# KiCad board Leviathan.kicad_pcb (continued)
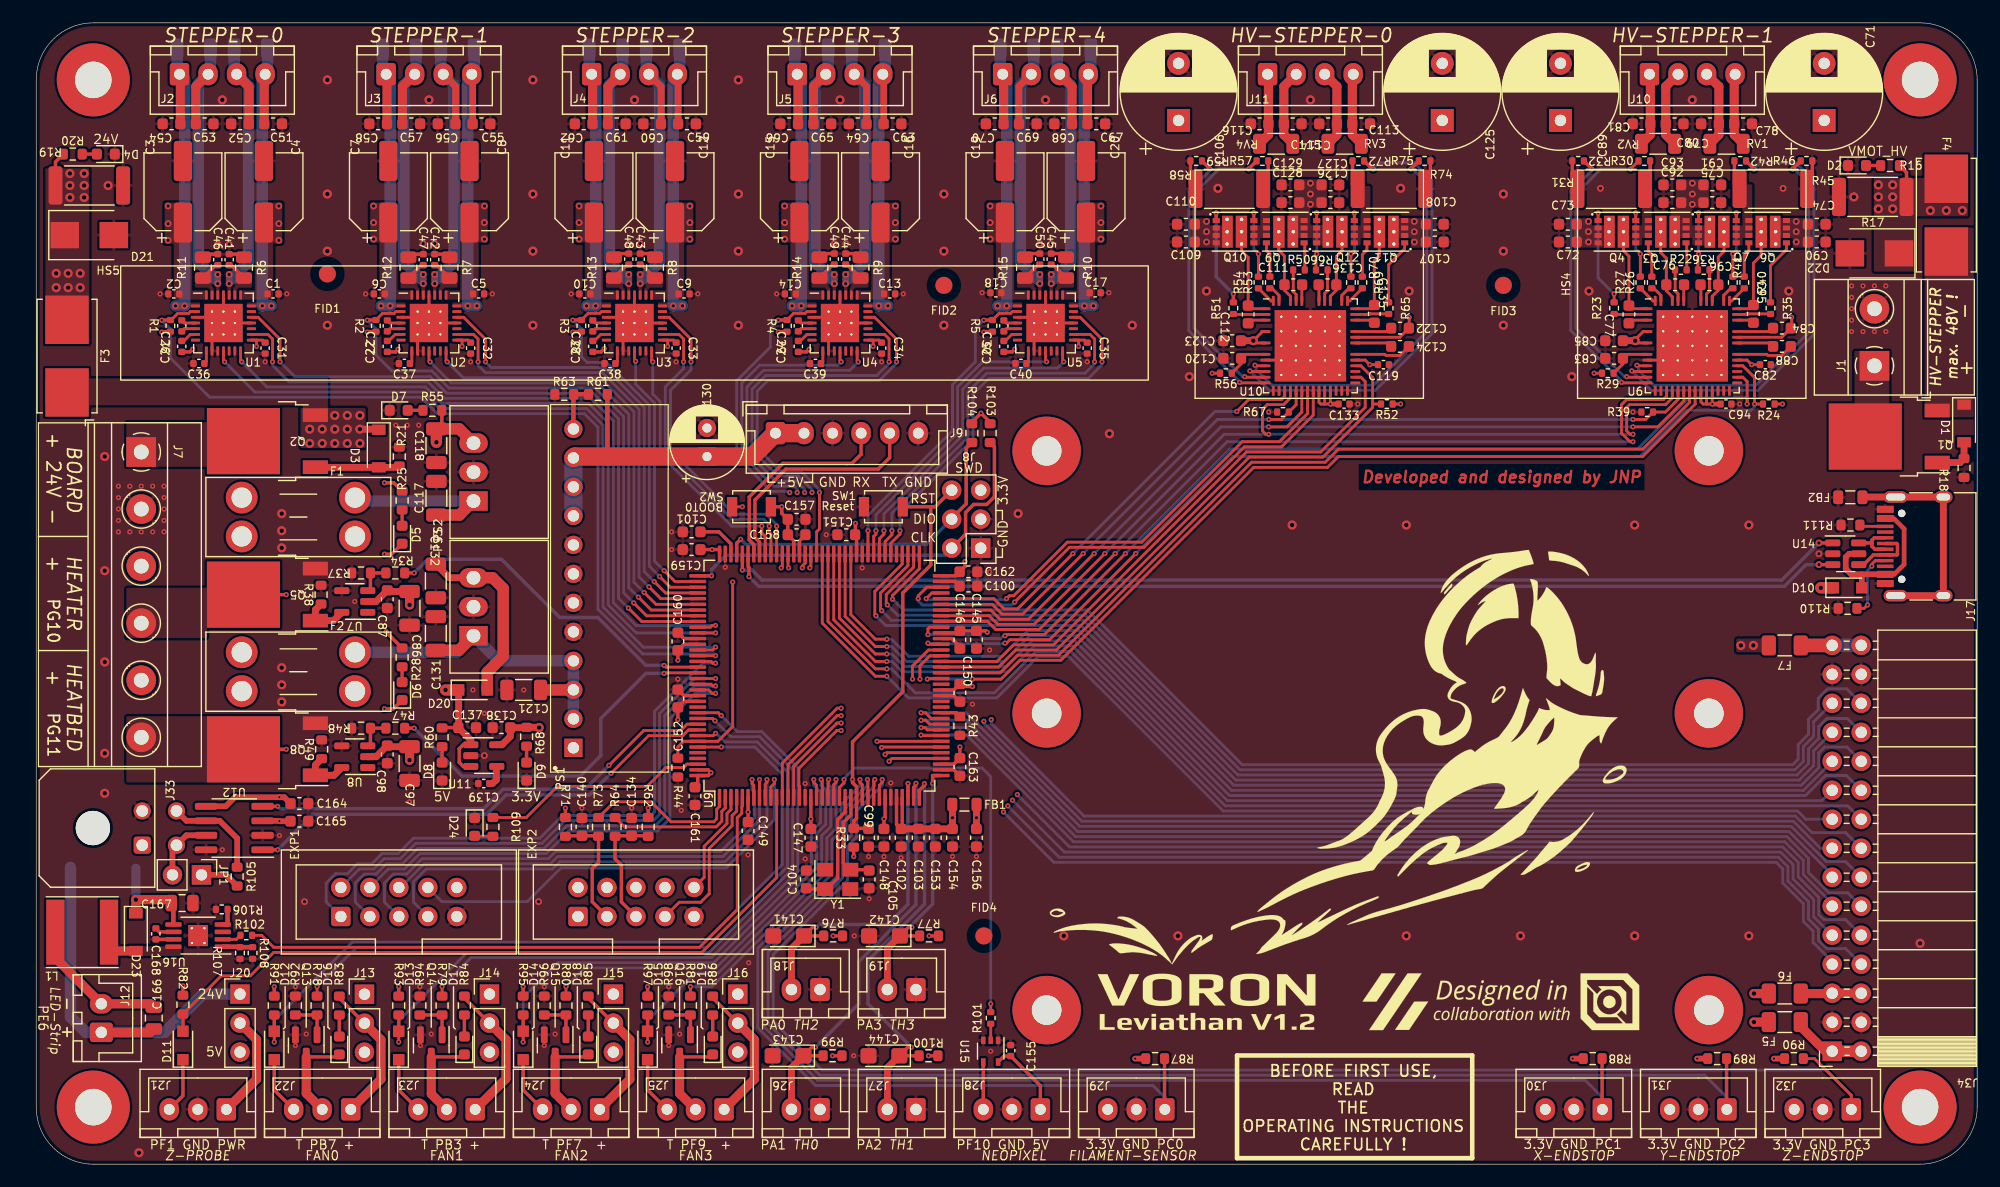
[diagram p0: board, top side]
## Placement (name value [footprint] x y rotation side) (continued)
R103  10k  [R_0603_1608Metric]  83.55 64.05 270 top
R104  10k  [R_0603_1608Metric]  81.95 64.05 270 top
R105  120R  [R_0603_1608Metric]  17.6 25.2 90 top
R106  40k2  [R_0402_1005Metric]  16.25 22.32 180 top
R107  1R2  [R_0402_1005Metric]  17.85 18.5 270 top
R108  1R2  [R_0402_1005Metric]  18.95 18.5 270 top
R109  1k  [R_0603_1608Metric]  40 29.55 90 top
R110  5k1  [R_0603_1608Metric]  158.65 48.7 180 top
R111  5k1  [R_0603_1608Metric]  158.9 56 180 top
Ref**  Val**  [Leviathan_Logo_V1.2]  140.4 11.75 0 top
RV1  56V  [R_1206_3216Metric]  148.05 89.4 0 top
RV2  56V  [R_1206_3216Metric]  142.05 89.4 180 top
RV3  56V  [R_1206_3216Metric]  114.6 89.4 0 top
RV4  56V  [R_1206_3216Metric]  108.6 89.4 180 top
RV5  26V  [R_1206_3216Metric]  13.8 97.75 0 bottom
RV6  26V  [R_1206_3216Metric]  18.8 97.75 0 bottom
RV7  26V  [R_1206_3216Metric]  31.8 97.75 0 bottom
RV8  26V  [R_1206_3216Metric]  36.9 97.75 0 bottom
RV9  26V  [R_1206_3216Metric]  49.9 97.75 0 bottom
RV10  26V  [R_1206_3216Metric]  54.9 97.75 0 bottom
RV11  26V  [R_1206_3216Metric]  67.9 97.75 0 bottom
RV12  26V  [R_1206_3216Metric]  72.9 97.75 0 bottom
RV13  26V  [R_1206_3216Metric]  85.9 97.75 0 bottom
RV14  26V  [R_1206_3216Metric]  90.9 97.75 0 bottom
SW1  Reset  [SW_SPST_B3U-1000P]  74.2 57.6 0 top
SW2  BOOT0  [SW_SPST_B3U-1000P]  62.65 57.6 180 top
U1  TMC2209_LA  [QFN-28-1EP_5x5mm_P0.5mm_EP3.35x3.35mm_ThermalVias]  16.4 73.7 0 top
U2  TMC2209_LA  [QFN-28-1EP_5x5mm_P0.5mm_EP3.35x3.35mm_ThermalVias]  34.4 73.7 0 top
U3  TMC2209_LA  [QFN-28-1EP_5x5mm_P0.5mm_EP3.35x3.35mm_ThermalVias]  52.4 73.7 0 top
U4  TMC2209_LA  [QFN-28-1EP_5x5mm_P0.5mm_EP3.35x3.35mm_ThermalVias]  70.4 73.7 0 top
U5  TMC2209_LA  [QFN-28-1EP_5x5mm_P0.5mm_EP3.35x3.35mm_ThermalVias]  88.4 73.7 0 top
U6  TMC5160-WA  [QFN-56-1EP_8x8mm_P0.5mm_EP6.25x6.25mm_ThermalVias_TMC]  145.05 71.7 0 top
U7  MCP1416  [SOT-23-5]  27.9 49.3 180 top
U8  MCP1416  [SOT-23-5]  27.9 35.7 180 top
U9  STM32F446ZET6  [LQFP-144_20x20mm_P0.5mm]  68.6 42.8 90 top
U10  TMC5160-WA  [QFN-56-1EP_8x8mm_P0.5mm_EP6.25x6.25mm_ThermalVias_TMC]  111.6 71.7 0 top
U11  AP2112K-3.3V/AP2127K-3.3V  [SOT-23-5]  39.2 35.8 0 top
U12  TJA1051T-3  [SOIC-8_3.9x4.9mm_P1.27mm]  17.35 29.45 180 top
U13  RPi4  [RPi-4]  117.5 38 0 top
U14  USBLC6-2SC6  [SOT-23-6]  158.49 53.48 0 top
U15  74LVC1G17GW  [SOT-353_SC-70-5]  83.6 9.9 270 top
U16  LM3407MY  [MSOP-8-1EP_3x3mm_P0.65mm_EP1.73x1.85mm_ThermalVias]  14.18 20.03 180 top
Y1  12MHz  [Crystal_SMD_Abracon_ABM8G-4Pin_3.2x2.5mm]  70.2 24.95 0 top

## Library data of the parts
C1 C2 C5 C6 C9 C10 C13 C14 C17 C18 C21-C25 C31-C35 C41-C50 = -: LCSC: C77020
C3 C4 C7 C8 C11 C12 C15 C16 C19 C20 = -: LCSC: C249977
C26-C30 C139 = -: LCSC: C107026
C36-C40 = -: LCSC: C368809; MFG: CL05A475KP5NRNC
C51-C70 C78-C81 C113-C116 = -: LCSC: C77438; MFG#: 0603B102K101CT
C71 C89 C106 C125 = -: LCSC: C442941
C72-C75 C90-C93 C107-C110 C126-C129 = -: LCSC: C88219
C76 C77 C95 C96 C111 C112 C135 C136 = -: LCSC: C2174190
C82 C119 = -: LCSC: C961501
C83 C85 C120 C123 = -: LCSC: C99228
C84 = -: LCSC: C116838
C86 C97 = -: LCSC: C14860; MFG#: CL31B106KAHNNNE
C87 C94 C98 C99 C103 C133 C134 C140 C146-C148 C150-C152 C154 C156 C158-C163 = -: LCSC: C83054; MFG#: C83054
C88 C124 = -: LCSC: C161234
C100-C102 C153 = -: LCSC: C99228; MFG#: 0603B225K250NT
C104 C105 = -: LCSC#: C38523; MFG#: CL10C120JB8NNNC
C117 C118 C121 C131 C132 = -: LCSC: C89632; MFG#: CL31B106KBHNNNE
C122 C164 C165 = -: LCSC#: C116838
C130 = -: LCSC: C472886; MFG#: 25ZLG100MEFCT16.3X11
C137 = -: LCSC: C76617; MFG#: C1608X7R1C105KT000N
C138 = -: LCSC: C86018; MFG#: GRM188R71A225KE15D
C141-C144 = -: LCSC#: C124849; MFG#: TC212A106M010B
C145 = -: LCSC: C108342; MFG#: 0603B475K100NT
C149 C157 = -: LCSC: C29936; MFG#: CL10B105KA8NNNC
C155 = -: LCSC: C83054
C166 C167 = -: LCSC: C437557
C168 = -: LCSC: C52923
D1 D3 = -: LCSC: C177014
D2 D4-D9 D16-D19 D24 = -: LCSC: C434419
D10 = -: LCSC: C146335
D11-D15 = -: LCSC: C130415
D20 = -: LCSC: C117485
D21 = -: LCSC: C353370
D22 = -: LCSC: C353352
D23 = -: LCSC: C8598
EXP1 EXP2 = -: LCSC: C390693
F3 F4 = -: LCSC: C206921
F5-F7 = -: LCSC: C70077
FB1 FB2 = -: LCSC: C21286; MFG: CBW201209U601T
J2-J6 J10 J11 = -: LCSC: C566013
J8 = -: LCSC: C225518
J9 = -: LCSC: C144397
J12 J18 J19 J26 J27 = -: LCSC: C161869
J13-J16 J20 = -: LCSC: C429954
J17 = -: LCSC: C136423
J21-J25 J28-J32 = -: LCSC: C565985
L1 = -: Field4: C2049900
PS1 = -: Description: Recom Switching Regulator, 6.5  28V Input, 3  5.5V Output, 2A; Arrow Part Number: R-745.0P; Arrow Price/Stock: https://www.arrow.com/en/products/r-745.0p/recom-power; Height: 15.5; LCSC: C2684867; Manufacturer_Name: RECOM Power; Manufacturer_Part_Number: R-745.0P; Mouser Part Number: 919-R-745.0P; Mouser Price/Stock: https://www.mouser.co.uk/ProductDetail/RECOM-Power/R-7450P?qs=YWgezujkI1LEo4N0DvTqgw%3D%3D
PS2 = -: LCSC: C970731
PS3 = -: LCSC: C970791
Q1 Q2 = -: LCSC#: C141584
Q5 Q8 = -: LCSC#: C211367
Q13-Q16 = -: LCSC: C710085; MFG: SQ2348ES-T1
R1-R5 R24 R38 R43 R44 R49 R52 R82 R87-R98 R103 R104 = -: LCSC: C384294; MFG: WR06X103JTL
R6-R15 = -: LCSC: C2908110
R16 = -: LCSC: C73802; MFG: RS-03K153JT
R17 = -: LCSC: C71872
R18 = -: LCSC: C14675
R19 = -: LCSC: C71872; MFG: 25121WJ0302T4E
R20 = -: LCSC#: C384294; MFG#: WR06X103JTL
R21 = -: LCSC: C14675; MFG: RC0603FR-07100KL
R22 R23 R26 R27 = -: LCSC: C226359; MFG: AC0402FR-0722RL
R25 R28 = -: LCSC: C23234; MFG: 0603WAF7501T5E
R29 R56 = -: LCSC: C327251; MFG: RC0402FR-072R2L
R30 R32 R42 R46 = -: LCSC: C144756; MFG: AC0402FR-0747RL
R31 R45 R58 R74 = -: LCSC: C705611; MFG: RL2512FK-070R075L
R33 = -: LCSC: C25803; MFG: 0603WAF1003T5E
R34 R47 = -: LCSC: C115420; MFG: RS-03K1000FT
R35 R36 R40 R41 R50 R51 R53 R54 R65 R66 R69 R70 = -: LCSC: C226359
R37 R48 R60 = -: LCSC: C115325; MFG: RS-03K1001FT
R39 R67 = -: LCSC: C132374; MFG: WR06X1003FTL
R55 = -: LCSC: C103578; MFG: RTT03362JTP
R57 R59 R72 R75 = -: LCSC: C144756
R61 = -: LCSC: C2108324; MFG: MCT06030C3613FP500
R62 R71 = -: LCSC: C99782; MFG: RC0603FR-074K7L
R63 = -: LCSC: C15458; MFG: 0603WAJ0104T5E
R64 R73 = -: LCSC: C115420
R68 R83-R86 R109 = -: LCSC: C14676; MFG: RC0603JR-071KL
R76 R77 R100 = -: LCSC: C445630; MFG: ERA3AEB222V
R78-R81 = -: LCSC: C327825; MFG: MR06X1000FTL
R99 = -: Field5: ERA3AEB222V; LCSC: C445630
R101 R102 = -: LCSC#: C115420; MFG#: RS-03K1000FT
R106 = -: LCSC: C137983
R107 R108 = -: LCSC: C131501
R110 R111 = -: LCSC: C23186; MFG: 0603WAF5101T5E
RV1-RV4 = -: LCSC: C2935553
RV5-RV14 = -: LCSC: C2935557
SW1 SW2 = -: LCSC: C231329
U1-U5 = -: LCSC: C465949
U6 U10 = -: LCSC: C1161714
U7 U8 = -: LCSC: C83775
U11 = -: LCSC#: C51118/C156285; MFG#: AP2112K-3.3TRG1
U13 = -: Field5: Raspberry Pi 4 Model B
U14 = -: LCSC: C7519
U15 = -: LCSC: C426705
U16 = -: LCSC: C543051
Y1 = -: LCSC#: C279584; MFG#: M12000E142

## Footprints (pads in the part's own frame, mm; a bottom-side part is the same pattern mirrored in y, then rotated)
C_0402_1005Metric
  rrect 0.56x0.62 smd: 1(-0.48,0) 2(0.48,0)
C_0603_1608Metric
  rrect 0.9x0.95 smd: 1(-0.775,0) 2(0.775,0)
C_0805_2012Metric
  rrect 1x1.45 smd: 1(-0.95,0) 2(0.95,0)
C_1206_3216Metric
  rrect 1.15x1.8 smd: 1(-1.475,0) 2(1.475,0)
Converter_DCDC_RECOM_R-78B-2.0_THT
  rect 1.7x2.5 hole 1.2: 1(0,0)
  oval 1.7x2.5 hole 1.2: 2(2.54,0) 3(5.08,0)
CP_EIA-3216-18_Kemet-A
  rrect 1.4x1.35 smd: 1(-1.35,0) 2(1.35,0)
CP_Elec_6.3x5.8
  rrect 3.5x1.6 smd: 1(-2.7,0) 2(2.7,0)
CP_Radial_D6.3mm_P2.50mm
  rect 1.6x1.6 hole 0.8: 1(0,0)
  round 1.6 hole 0.8: 2(2.5,0)
CP_Radial_D10.0mm_P5.00mm
  rect 2x2 hole 1: 1(0,0)
  round 2 hole 1: 2(5,0)
Crystal_SMD_Abracon_ABM8G-4Pin_3.2x2.5mm
  rect 1.4x1.2 smd: 1(-1.1,-0.85) 2(1.1,-0.85) 3(1.1,0.85) 4(-1.1,0.85)
D_SMB
  rect 2.5x2.3 smd: 1(-2.15,0) 2(2.15,0)
D_SOD-123
  rect 0.9x1.2 smd: 1(-1.65,0) 2(1.65,0)
D_SOD-323_HandSoldering
  rect 1x1 smd: 1(-1.25,0) 2(1.25,0)
Fiducial_1.5mm_Mask3mm
  round 1.5 smd: (0,0)
Fuse_1206_3216Metric
  rrect 1.25x1.75 smd: 1(-1.4,0) 2(1.4,0)
Fuseholder_Blade_Mini_Keystone_3568
  round 2.78 hole 1.78: 1(0,0) 1(0,-3.4) 2(9.92,0) 2(9.92,-3.4)
Fuseholder_Littelfuse_Nano2_154x
  rect 4.24x3.81 smd: 1(-3.185,0) 2(3.185,0)
IDC-Header_2x05_P2.54mm_Vertical
  rrect 1.7x1.7 hole 1: 1(0,0)
  round 1.7 hole 1: 2(2.54,0) 3(0,-2.54) 4(2.54,-2.54) 5(0,-5.08) 6(2.54,-5.08) 7(0,-7.62) 8(2.54,-7.62) 9(0,-10.16) 10(2.54,-10.16)
JST_XH_B2B-XH-A_1x02_P2.50mm_Vertical
  rrect 1.7x2 hole 1: 1(0,0)
  oval 1.7x2 hole 1: 2(2.5,0)
JST_XH_B3B-XH-A_1x03_P2.50mm_Vertical
  rrect 1.7x1.95 hole 0.95: 1(0,0)
  oval 1.7x1.95 hole 0.95: 2(2.5,0) 3(5,0)
JST_XH_B4B-XH-A_1x04_P2.50mm_Vertical
  rrect 1.7x1.95 hole 0.95: 1(0,0)
  oval 1.7x1.95 hole 0.95: 2(2.5,0) 3(5,0) 4(7.5,0)
JST_XH_B6B-XH-A_1x06_P2.50mm_Vertical
  rrect 1.7x1.95 hole 0.95: 1(0,0)
  oval 1.7x1.95 hole 0.95: 2(2.5,0) 3(5,0) 4(7.5,0) 5(10,0) 6(12.5,0)
L_0805_2012Metric
  rrect 0.875x1.2 smd: 1(-1.062,0) 2(1.062,0)
L_Taiyo-Yuden_NR-60xx
  rect 1.6x5.7 smd: 1(-2.35,0) 2(2.35,0)
LED_0603_1608Metric
  rrect 0.875x0.95 smd: 1(-0.787,0) 2(0.787,0)
LQFP-144_20x20mm_P0.5mm
  rrect 1.475x0.3 smd: 1(-10.662,8.75) 2(-10.662,8.25) 3(-10.662,7.75) 4(-10.662,7.25) 5(-10.662,6.75) 6(-10.662,6.25) 7(-10.662,5.75) 8(-10.662,5.25) 9(-10.662,4.75) 10(-10.662,4.25) 11(-10.662,3.75) 12(-10.662,3.25) 13(-10.662,2.75) 14(-10.662,2.25) 15(-10.662,1.75) 16(-10.662,1.25) 17(-10.662,0.75) 18(-10.662,0.25) 19(-10.662,-0.25) 20(-10.662,-0.75) 21(-10.662,-1.25) 22(-10.662,-1.75) 23(-10.662,-2.25) 24(-10.662,-2.75) 25(-10.662,-3.25) 26(-10.662,-3.75) 27(-10.662,-4.25) 28(-10.662,-4.75) 29(-10.662,-5.25) 30(-10.662,-5.75) 31(-10.662,-6.25) 32(-10.662,-6.75) 33(-10.662,-7.25) 34(-10.662,-7.75) 35(-10.662,-8.25) 36(-10.662,-8.75) 73(10.662,-8.75) 74(10.662,-8.25) 75(10.662,-7.75) 76(10.662,-7.25) 77(10.662,-6.75) 78(10.662,-6.25) 79(10.662,-5.75) 80(10.662,-5.25) 81(10.662,-4.75) 82(10.662,-4.25) 83(10.662,-3.75) 84(10.662,-3.25) 85(10.662,-2.75) 86(10.662,-2.25) 87(10.662,-1.75) 88(10.662,-1.25) 89(10.662,-0.75) 90(10.662,-0.25) 91(10.662,0.25) 92(10.662,0.75) 93(10.662,1.25) 94(10.662,1.75) 95(10.662,2.25) 96(10.662,2.75) 97(10.662,3.25) 98(10.662,3.75) 99(10.662,4.25) 100(10.662,4.75) 101(10.662,5.25) 102(10.662,5.75) 103(10.662,6.25) 104(10.662,6.75) 105(10.662,7.25) 106(10.662,7.75) 107(10.662,8.25) 108(10.662,8.75)
  rrect 0.3x1.475 smd: 37(-8.75,-10.662) 38(-8.25,-10.662) 39(-7.75,-10.662) 40(-7.25,-10.662) 41(-6.75,-10.662) 42(-6.25,-10.662) 43(-5.75,-10.662) 44(-5.25,-10.662) 45(-4.75,-10.662) 46(-4.25,-10.662) 47(-3.75,-10.662) 48(-3.25,-10.662) 49(-2.75,-10.662) 50(-2.25,-10.662) 51(-1.75,-10.662) 52(-1.25,-10.662) 53(-0.75,-10.662) 54(-0.25,-10.662) 55(0.25,-10.662) 56(0.75,-10.662) 57(1.25,-10.662) 58(1.75,-10.662) 59(2.25,-10.662) 60(2.75,-10.662) 61(3.25,-10.662) 62(3.75,-10.662) 63(4.25,-10.662) 64(4.75,-10.662) 65(5.25,-10.662) 66(5.75,-10.662) 67(6.25,-10.662) 68(6.75,-10.662) 69(7.25,-10.662) 70(7.75,-10.662) 71(8.25,-10.662) 72(8.75,-10.662) 109(8.75,10.662) 110(8.25,10.662) 111(7.75,10.662) 112(7.25,10.662) 113(6.75,10.662) 114(6.25,10.662) 115(5.75,10.662) 116(5.25,10.662) 117(4.75,10.662) 118(4.25,10.662) 119(3.75,10.662) 120(3.25,10.662) 121(2.75,10.662) 122(2.25,10.662) 123(1.75,10.662) 124(1.25,10.662) 125(0.75,10.662) 126(0.25,10.662) 127(-0.25,10.662) 128(-0.75,10.662) 129(-1.25,10.662) 130(-1.75,10.662) 131(-2.25,10.662) 132(-2.75,10.662) 133(-3.25,10.662) 134(-3.75,10.662) 135(-4.25,10.662) 136(-4.75,10.662) 137(-5.25,10.662) 138(-5.75,10.662) 139(-6.25,10.662) 140(-6.75,10.662) 141(-7.25,10.662) 142(-7.75,10.662) 143(-8.25,10.662) 144(-8.75,10.662)
Molex_Micro-Fit_3.0_43045-0400_2x02_P3.00mm_Horizontal
  round 3 hole 3 unplated: (1.5,4.32)
  rrect 1.5x1.5 hole 1.02: 1(0,0)
  round 1.5 hole 1.02: 2(3,0) 3(0,-3) 4(3,-3)
MountingHole_3.2mm_M3_Pad_TopBottom
  round 3.6 hole 3.2: 1(0,0)
  round 6.4 smd: 1(0,0)
  round 6.4 smd far side: 1(0,0)
MSOP-8-1EP_3x3mm_P0.65mm_EP1.73x1.85mm_ThermalVias
  rrect 0.72x0.77 smd: (-0.43,0.46) (-0.43,-0.46) (0.43,0.46) (0.43,-0.46)
  rrect 1.425x0.4 smd: 1(-2.163,0.975) 2(-2.163,0.325) 3(-2.163,-0.325) 4(-2.163,-0.975) 5(2.163,-0.975) 6(2.163,-0.325) 7(2.163,0.325) 8(2.163,0.975)
  round 0.5 hole 0.2: 9(-0.55,0.65) 9(-0.55,-0.65) 9(0.55,0.65) 9(0.55,-0.65)
  rect 1.6x1.8 smd far side: 9(0,0)
  rect 1.73x1.85 smd: 9(0,0)
PinHeader_1x02_P2.54mm_Vertical
  rect 1.7x1.7 hole 1: 1(0,0)
  oval 1.7x1.7 hole 1: 2(0,-2.54)
PinHeader_1x03_P2.54mm_Vertical
  rect 1.7x1.7 hole 1: 1(0,0)
  oval 1.7x1.7 hole 1: 2(0,-2.54) 3(0,-5.08)
PinHeader_2x03_P2.54mm_Vertical
  rect 1.7x1.7 hole 1: 1(0,0)
  oval 1.7x1.7 hole 1: 2(2.54,0) 3(0,-2.54) 4(2.54,-2.54) 5(0,-5.08) 6(2.54,-5.08)
PinSocket_2x15_P2.54mm_Horizontal
  rect 1.7x1.7 hole 1: 1(0,0)
  oval 1.7x1.7 hole 1: 2(-2.54,0) 3(0,-2.54) 4(-2.54,-2.54) 5(0,-5.08) 6(-2.54,-5.08) 7(0,-7.62) 8(-2.54,-7.62) 9(0,-10.16) 10(-2.54,-10.16) 11(0,-12.7) 12(-2.54,-12.7) 13(0,-15.24) 14(-2.54,-15.24) 15(0,-17.78) 16(-2.54,-17.78) 17(0,-20.32) 18(-2.54,-20.32) 19(0,-22.86) 20(-2.54,-22.86) 21(0,-25.4) 22(-2.54,-25.4) 23(0,-27.94) 24(-2.54,-27.94) 25(0,-30.48) 26(-2.54,-30.48) 27(0,-33.02) 28(-2.54,-33.02) 29(0,-35.56) 30(-2.54,-35.56)
QFN-28-1EP_5x5mm_P0.5mm_EP3.35x3.35mm_ThermalVias
  custom 0.544x0.544 smd: (-1.337,1.337) (-1.337,-1.337) (1.337,1.337) (1.337,-1.337)
  custom 0.544x0.806 smd: (-1.337,0.5) (-1.337,-0.5) (1.337,0.5) (1.337,-0.5)
  custom 0.806x0.544 smd: (-0.5,1.337) (-0.5,-1.337) (0.5,1.337) (0.5,-1.337)
  rrect 0.806x0.806 smd: (-0.5,0.5) (-0.5,-0.5) (0.5,0.5) (0.5,-0.5)
  rrect 0.8x0.25 smd: 1(-2.45,1.5) 2(-2.45,1) 3(-2.45,0.5) 4(-2.45,0) 5(-2.45,-0.5) 6(-2.45,-1) 7(-2.45,-1.5) 15(2.45,-1.5) 16(2.45,-1) 17(2.45,-0.5) 18(2.45,0) 19(2.45,0.5) 20(2.45,1) 21(2.45,1.5)
  rrect 0.25x0.8 smd: 8(-1.5,-2.45) 9(-1,-2.45) 10(-0.5,-2.45) 11(0,-2.45) 12(0.5,-2.45) 13(1,-2.45) 14(1.5,-2.45) 22(1.5,2.45) 23(1,2.45) 24(0.5,2.45) 25(0,2.45) 26(-0.5,2.45) 27(-1,2.45) 28(-1.5,2.45)
  round 0.5 hole 0.2: 29(-1,1) 29(-1,0) 29(-1,-1) 29(0,1) 29(0,0) 29(0,-1) 29(1,1) 29(1,0) 29(1,-1)
  rect 3.35x3.35 smd: 29(0,0)
  rect 3.35x3.35 smd far side: 29(0,0)
QFN-56-1EP_8x8mm_P0.5mm_EP6.25x6.25mm_ThermalVias_TMC
  rrect 1.084x1.084 smd: (-1.913,1.913) (-1.913,0.637) (-1.913,-0.637) (-1.913,-1.913) (-0.637,1.913) (-0.637,0.637) (-0.637,-0.637) (-0.637,-1.913) (0.637,1.913) (0.637,0.637) (0.637,-0.637) (0.637,-1.913) (1.913,1.913) (1.913,0.637) (1.913,-0.637) (1.913,-1.913)
  rrect 0.875x0.25 smd: 1(-3.938,3.25) 2(-3.938,2.75) 3(-3.938,2.25) 4(-3.938,1.25) 5(-3.938,0.25) 6(-3.938,-0.75) 7(-3.938,-1.25) 8(-3.938,-1.75) 9(-3.938,-2.25) 10(-3.938,-2.75) 11(-3.938,-3.25) 26(3.938,-3.25) 27(3.938,-2.75) 28(3.938,-2.25) 29(3.938,-1.75) 30(3.938,-1.25) 31(3.938,-0.75) 32(3.938,0.25) 33(3.938,0.75) 34(3.938,1.25) 35(3.938,2.25) 36(3.938,2.75) 37(3.938,3.25)
  rrect 0.25x0.875 smd: 12(-3.25,-3.938) 13(-2.75,-3.938) 14(-2.25,-3.938) 15(-1.75,-3.938) 16(-1.25,-3.938) 17(-0.75,-3.938) 18(-0.25,-3.938) 19(0.25,-3.938) 20(0.75,-3.938) 21(1.25,-3.938) 22(1.75,-3.938) 23(2.25,-3.938) 24(2.75,-3.938) 25(3.25,-3.938) 38(3.25,3.938) 39(2.75,3.938) 40(1.75,3.938) 41(1.25,3.938) 42(0.75,3.938) 43(-0.75,3.938) 44(-1.25,3.938) 45(-1.75,3.938) 46(-2.75,3.938) 47(-3.25,3.938)
  round 0.5 hole 0.2: 48(-2.55,2.55) 48(-2.55,1.275) 48(-2.55,0) 48(-2.55,-1.275) 48(-2.55,-2.55) 48(-1.275,2.55) 48(-1.275,1.275) 48(-1.275,0) 48(-1.275,-1.275) 48(-1.275,-2.55) 48(0,2.55) 48(0,1.275) 48(0,0) 48(0,-1.275) 48(0,-2.55) 48(1.275,2.55) 48(1.275,1.275) 48(1.275,0) 48(1.275,-1.275) 48(1.275,-2.55) 48(2.55,2.55) 48(2.55,1.275) 48(2.55,0) 48(2.55,-1.275) 48(2.55,-2.55)
  rect 6.25x6.25 smd: 48(0,0)
  rect 6.25x6.25 smd far side: 48(0,0)
R7450P
  rect 1.6x1.6 hole 1: 1(-13.97,0)
  round 1.6 hole 1: 2(-11.43,0) 3(-8.89,0) 4(-6.35,0) 5(-3.81,0) 6(-1.27,0) 7(1.27,0) 8(3.81,0) 9(6.35,0) 10(8.89,0) 11(11.43,0) 12(13.97,0)
R_0402_1005Metric
  rrect 0.54x0.64 smd: 1(-0.51,0) 2(0.51,0)
R_0603_1608Metric
  rrect 0.8x0.95 smd: 1(-0.825,0) 2(0.825,0)
R_0805_2012Metric
  rrect 1.025x1.4 smd: 1(-0.912,0) 2(0.912,0)
R_1206_3216Metric
  rrect 1.125x1.75 smd: 1(-1.462,0) 2(1.462,0)
R_2512_6332Metric
  rrect 1.225x3.35 smd: 1(-2.962,0) 2(2.962,0)
RPi-4
  round 6 hole 2.6: (-29,24.5) (-29,1.5) (-29,-24.5) (29,24.5) (29,1.5) (29,-24.5)
SOIC-8_3.9x4.9mm_P1.27mm
  rrect 1.95x0.6 smd: 1(-2.475,1.905) 2(-2.475,0.635) 3(-2.475,-0.635) 4(-2.475,-1.905) 5(2.475,-1.905) 6(2.475,-0.635) 7(2.475,0.635) 8(2.475,1.905)
SOT-23
  rrect 1.475x0.6 smd: 1(-0.938,0.95) 2(-0.938,-0.95) 3(0.938,0)
SOT-23-5
  rrect 1.325x0.6 smd: 1(-1.137,0.95) 2(-1.137,0) 3(-1.137,-0.95) 4(1.137,-0.95) 5(1.137,0.95)
SOT-23-6
  rrect 1.325x0.6 smd: 1(-1.137,0.95) 2(-1.137,0) 3(-1.137,-0.95) 4(1.137,-0.95) 5(1.137,0) 6(1.137,0.95)
SOT-353_SC-70-5
  rect 0.65x0.4 smd: 1(-0.95,0.65) 2(-0.95,0) 3(-0.95,-0.65) 4(0.95,-0.65) 5(0.95,0.65)
SW_SPST_B3U-1000P
  rect 0.9x1.7 smd: 1(-1.7,0) 2(1.7,0)
TerminalBlock_Phoenix_MKDS-1,5-2_1x02_P5.00mm_Horizontal
  rect 2.6x2.6 hole 1.3: 1(0,0)
  round 2.6 hole 1.3: 2(5,0)
TerminalBlock_Phoenix_MKDS-1,5-6_1x06_P5.00mm_Horizontal
  rect 2.6x2.6 hole 1.3: 1(0,0)
  round 2.6 hole 1.3: 2(5,0) 3(10,0) 4(15,0) 5(20,0) 6(25,0)
TO-252-2
  rect 3.05x2.75 smd: (0.425,1.525) (0.425,-1.525) (3.775,1.525) (3.775,-1.525)
  rect 2.2x1.2 smd: 1(-4.2,2.28) 3(-4.2,-2.28)
  rect 6.4x5.8 smd: 2(2.1,0)
USB_C_Receptacle_HRO_TYPE-C-31-M-12
  round 0.65 hole 0.65 unplated: (-2.89,2.6) (2.89,2.6)
  rect 0.6x1.45 smd: A1(-3.25,4.045) A4(-2.45,4.045) A9(2.45,4.045) A12(3.25,4.045) B1(3.25,4.045) B4(2.45,4.045) B9(-2.45,4.045) B12(-3.25,4.045)
  rect 0.3x1.45 smd: A5(-1.25,4.045) A6(-0.25,4.045) A7(0.25,4.045) A8(1.25,4.045) B5(1.75,4.045) B6(0.75,4.045) B7(-0.75,4.045) B8(-1.75,4.045)
  oval 1x2.1 hole 0.6x1.7: S1(-4.32,3.13) S1(4.32,3.13)
  oval 1x1.6 hole 0.6x1.2: S1(-4.32,-1.05) S1(4.32,-1.05)
Vishay_PowerPair_3x3S
  rect 0.62x0.44 smd: 1(-1.65,0.975) 2(-1.65,0.325) 2(-1.65,-0.325) 2(-1.65,-0.975) 5(1.65,0.325) 5(1.65,-0.325) 5(1.65,-0.975) 8(1.65,0.975)
  round 0.6 hole 0.3: 2(-0.699,1.079) 2(-0.699,0) 2(-0.699,-1.079) 9(0.572,1.079) 9(0.572,0) 9(0.572,-1.079)
  rect 0.935x2.8 smd: 2(-0.662,0)
  rect 1x2.8 smd: 9(0.56,0)

## Nets
+3.3VA: C102.1 C103.1 C153.1 C154.1 FB1.1 R76.1 R77.1 R99.1 R100.1 U9.32 U9.33
+3V3: C31.1 C32.1 C33.1 C34.1 C35.1 C94.1 C133.1 C138.1 C145.1 C146.1 C147.1 C148.1 C149.1 C150.1 C151.1 C152.1 C156.1 C157.1 C158.1 C159.1 C160.1 C161.1 C162.1 C163.1 C164.1 F6.2 FB1.2 J8.5 J29.3 J30.3 J31.3 J32.3 R1.2 R2.2 R3.2 R4.2 R5.2 R24.2 R33.2 R52.2 R62.1 R68.2 R71.1 R82.1 R87.2 R88.2 R89.2 R90.2 R91.1 R93.1 R95.1 R97.1 R103.1 R104.1 SW2.1 U1.15 U2.15 U3.15 U4.15 U5.15 U6.20 U6.21 U6.22 U9.6 U9.17 U9.30 U9.39 U9.52 U9.62 U9.72 U9.84 U9.95 U9.108 U9.121 U9.131 U9.143 U9.144 U10.20 U10.21 U10.22 U11.5 U12.5
+5V: C137.1 C155.1 C165.1 D10.1 D20.1 EXP1.10 F5.2 J13.3 J14.3 J15.3 J16.3 J20.3 J28.1 R60.2 U11.1 U11.3 U12.3 U15.5
+12V: C85.1 C86.1 C87.1 C97.1 C98.1 C118.1 C123.1 PS2.3 R55.2 U6.4 U6.5 U7.2 U8.2 U10.4 U10.5
+24V: C1.1 C2.1 C3.1 C4.1 C5.1 C6.1 C7.1 C8.1 C9.1 C10.1 C11.1 C12.1 C13.1 C14.1 C15.1 C16.1 C17.1 C18.1 C19.1 C20.1 C21.1 C22.1 C23.1 C24.1 C25.1 C166.1 C167.1 D21.1 D23.1 F3.2 F7.2 J12.1 J13.1 J14.1 J15.1 J16.1 J20.1 J33.1 R19.2 R20.2 U1.22 U1.28 U2.22 U2.28 U3.22 U3.28 U4.22 U4.28 U5.22 U5.28 U16.5
GND: C1.2 C2.2 C3.2 C4.2 C5.2 C6.2 C7.2 C8.2 C9.2 C10.2 C11.2 C12.2 C13.2 C14.2 C15.2 C16.2 C17.2 C18.2 C19.2 C20.2 C31.2 C32.2 C33.2 C34.2 C35.2 C36.1 C37.1 C38.1 C39.1 C40.1 C41.1 C42.1 C43.1 C44.1 C45.1 C46.1 C47.1 C48.1 C49.1 C50.1 C51.2 C52.2 C53.2 C54.2 C55.2 C56.2 C57.2 C58.2 C59.2 C60.2 C61.2 C62.2 C63.2 C64.2 C65.2 C66.2 C67.2 C68.2 C69.2 C70.2 C71.2 C72.1 C73.1 C74.1 C75.1 C78.2 C79.2 C80.2 C81.2 C82.2 C83.2 C85.2 C86.2 C87.2 C89.2 C90.1 C91.1 C92.1 C93.1 C94.2 C97.2 C98.2 C99.2 C100.2 C101.2 C102.2 C103.2 C104.2 C105.2 C106.2 C107.1 C108.1 C109.1 C110.1 C113.2 C114.2 C115.2 C116.2 C117.2 C118.2 C119.2 C120.2 C121.2 C123.2 C125.2 C126.1 C127.1 C128.1 C129.1 C130.2 C131.2 C132.2 C133.2 C134.2 C137.2 C138.2 C139.2 C140.2 C141.2 C142.2 C143.2 C144.2 C145.2 C146.2 C147.2 C148.2 C149.2 C150.2 C151.2 C152.2 C153.2 C154.2 C155.2 C156.2 C157.2 C158.2 C159.2 C160.2 C161.2 C162.2 C163.2 C164.2 C165.2 C167.2 C168.2 D2.1 D4.1 D7.1 D8.1 D9.1 D21.2 D22.2 D24.1 EXP1.9 EXP2.9 FB2.2 J1.2 J7.2 J8.1 J8.3 J9.3 J9.6 J17.A1 J17.A12 J17.B1 J17.B12 J18.1 J19.1 J21.2 J26.1 J27.1 J28.2 J29.2 J30.2 J31.2 J32.2 J33.2 J34.3 J34.4 J34.27 J34.28 PS1.5 PS1.6 PS1.7 PS1.8 PS2.2 PS3.2 Q5.3 Q8.3 Q13.2 Q14.2 Q15.2 Q16.2 R6.2 R7.2 R8.2 R9.2 R10.2 R11.2 R12.2 R13.2 R14.2 R15.2 R17.1 R18.2 R19.1 R21.2 R31.2 R32.2 R37.2 R38.1 R39.1 R43.1 R44.2 R45.2 R46.2 R48.2 R49.1 R58.2 R59.2 R63.1 R67.1 R74.2 R75.2 R92.2 R94.2 R96.2 R98.2 R106.2 R107.2 R108.2 R110.2 R111.2 SW1.1 U1.3 U1.9 U1.10 U1.13 U1.18 U1.25 U1.29 U2.3 U2.9 U2.10 U2.13 U2.18 U2.25 U2.29 U3.3 U3.9 U3.10 U3.13 U3.18 U3.25 U3.29 U4.3 U4.9 U4.10 U4.13 U4.18 U4.25 U4.29 U5.3 U5.9 U5.10 U5.13 U5.18 U5.25 U5.29 U6.7 U6.12 U6.13 U6.25 U6.48 U7.4 U8.4 U9.16 U9.31 U9.38 U9.51 U9.61 U9.83 U9.94 U9.107 U9.120 U9.130 U10.7 U10.12 U10.13 U10.25 U10.48 U11.2 U12.2 U12.8 U14.2 U15.1 U15.3 U16.7 U16.9 Y1.2 Y1.4
VDD: C117.1 C121.1 C131.1 D3.1 F1.2 F2.2 F3.1 PS1.2 PS1.3 PS1.4 PS2.1 PS3.1 Q2.3
+5P: C130.1 J9.1 J9.2 PS1.9 PS1.10 PS1.11 R61.2
A1_DRV0: C52.1 J2.3 RV6.1 U1.24
A1_DRV1: C56.1 J3.3 RV8.1 U2.24
A1_DRV2: C60.1 J4.3 RV10.1 U3.24
A1_DRV3: C64.1 J5.3 RV12.1 U4.24
A1_DRV4: C68.1 J6.3 RV14.1 U5.24
A2_DRV0: C51.1 J2.4 RV6.2 U1.21
A2_DRV1: C55.1 J3.4 RV8.2 U2.21
A2_DRV2: C59.1 J4.4 RV10.2 U3.21
A2_DRV3: C63.1 J5.4 RV12.2 U4.21
A2_DRV4: C67.1 J6.4 RV14.2 U5.21
B1_DRV0: C53.1 J2.2 RV5.2 U1.26
B1_DRV1: C57.1 J3.2 RV7.2 U2.26
B1_DRV2: C61.1 J4.2 RV9.2 U3.26
B1_DRV3: C65.1 J5.2 RV11.2 U4.26
B1_DRV4: C69.1 J6.2 RV13.2 U5.26
B2_DRV0: C54.1 J2.1 RV5.1 U1.1
B2_DRV1: C58.1 J3.1 RV7.1 U2.1
B2_DRV2: C62.1 J4.1 RV9.1 U3.1
B2_DRV3: C66.1 J5.1 RV11.1 U4.1
B2_DRV4: C70.1 J6.1 RV13.1 U5.1
BEEPER: EXP1.1 U9.124
BOOT0: R44.1 SW2.2 U9.138
BTN_EN1: C134.1 EXP2.5 R62.2 R64.1
BTN_EN2: C140.1 EXP2.3 R71.2 R73.1
BTN_ENC: EXP1.2 U9.127
CAN_H: J33.3 JP1.2 U12.7
CAN_L: J33.4 R105.2 U12.6
CAN_RX: U9.135 U12.4
CAN_TX: U9.136 U12.1
CS_DRV_HV0: U9.68 U10.14
CS_DRV_HV1: U6.14 U9.64
DIAG_DRV0: U1.11 U9.122
DIAG_DRV1: U2.11 U9.115
DIAG_DRV2: U3.11 U9.110
DIAG_DRV3: U4.11 U9.96
DIAG_DRV4: U5.11 U9.81
DIAG_DRV_HV0: U9.57 U10.27
DIAG_DRV_HV1: U6.27 U9.63
Din: R101.1 U15.2
DIR_DRV0: U1.19 U9.117
DIR_DRV1: U2.19 U9.112
DIR_DRV2: U3.19 U9.98
DIR_DRV3: U4.19 U9.91
DIR_DRV4: U5.19 U9.78
DIR_DRV_HV0: U9.70 U10.19
DIR_DRV_HV1: U6.19 U9.54
EN_DRV0: R1.1 U1.2 U9.123
EN_DRV1: R2.1 U2.2 U9.116
EN_DRV2: R3.1 U3.2 U9.111
EN_DRV3: R4.1 U4.2 U9.97
EN_DRV4: R5.1 U5.2 U9.82
EN_DRV_HV0: R52.1 U9.56 U10.29
EN_DRV_HV1: R24.1 U6.29 U9.60
Filament: J29.1 R87.1 U9.26
Heatbed: D6.1 J7.6 Q8.2
Heater: D5.1 J7.4 Q5.2
KILL: EXP2.10 U9.3
LCD_D4: EXP1.5 U9.7
LCD_D5: EXP1.6 U9.8
LCD_D6: EXP1.7 U9.9
LCD_D7: EXP1.8 U9.10
LCD_EN: EXP1.3 U9.128
LCD_RS: EXP1.4 U9.129
LED_PWM: R102.1 U16.2
PB0: J34.13 U9.46
PB1: J34.14 U9.47
PB9: U9.140
PC4: J34.11 U9.44
PC5: J34.12 U9.45
PD14: J34.22 U9.85
PD15: J34.21 U9.86
PE1: R109.2 U9.142
PE7: J34.16 U9.58
PE8: J34.15 U9.59
PF2: J34.10 U9.12
PF3: J34.9 U9.13
PF4: J34.8 U9.14
PF5: J34.7 U9.15
PF11: U9.49
PF12: U9.50
PF13: U9.53
PG2: J34.20 U9.87
PG3: J34.19 U9.88
PG4: J34.18 U9.89
PG5: J34.17 U9.90
PG15: U9.132
PWM_FAN0: R78.1 U9.137
PWM_FAN1: R79.1 U9.133
PWM_FAN2: R80.1 U9.19
PWM_FAN3: R81.1 U9.21
PWM_Heatbed: R47.1 U9.126
PWM_Hotend: R34.1 U9.125
SD_DET: EXP2.7 U9.4
SPI1_CS: EXP2.4 U9.40
SPI1_MISO: EXP2.1 U9.42
SPI1_MOSI: EXP2.6 U9.43
SPI1_SCK: EXP2.2 U9.41
SPI2_CLK: J34.25 U9.74
SPI2_CS: J34.26 U9.73
SPI2_MISO: J34.24 U9.75
SPI2_MOSI: J34.23 U9.76
SPI4_MISO: U6.17 U9.66 U10.17
SPI4_MOSI: R39.2 R67.2 U6.16 U9.67 U10.16
SPI4_SCK: U6.15 U9.65 U10.15
STEP_DRV0: U1.16 U9.118
STEP_DRV1: U2.16 U9.113
STEP_DRV2: U3.16 U9.99
STEP_DRV3: U4.16 U9.92
STEP_DRV4: U5.16 U9.79
STEP_DRV_HV0: U9.69 U10.18
STEP_DRV_HV1: U6.18 U9.55
SWCLK: J8.2 R103.2 U9.109
SWDIO: J8.4 R104.2 U9.105
TACH0: D12.2 R91.2 U9.139
TACH1: D13.2 R93.2 U9.134
TACH2: D14.2 R95.2 U9.18
TACH3: D15.2 R97.2 U9.20
TH0: C143.1 J26.2 R99.2 U9.35
TH1: C144.1 J27.2 R100.2 U9.36
TH2: C141.1 J18.2 R76.2 U9.34
TH3: C142.1 J19.2 R77.2 U9.37
UART_DRV0: U1.14 U9.119
UART_DRV1: U2.14 U9.114
UART_DRV2: U3.14 U9.100
UART_DRV3: U4.14 U9.93
UART_DRV4: U5.14 U9.80
UART_RX: J9.4 U9.102
UART_TX: J9.5 U9.101
USB_N: U9.103 U14.3
USB_P: U9.104 U14.1
VMOT_1: C71.1 C72.2 C73.2 C74.2 C75.2 C84.1 C89.1 C90.2 C91.2 C92.2 C93.2 C106.1 C107.2 C108.2 C109.2 C110.2 C122.1 C125.1 C126.2 C127.2 C128.2 C129.2 D22.1 F4.1 Q3.2 Q4.2 Q6.2 Q7.2 Q9.2 Q10.2 Q11.2 Q12.2 R16.2 R17.2 U6.33 U10.33
X-Endstop: J30.1 R88.1 U9.27
Y-Endstop: J31.1 R89.1 U9.28
Z-Endstop: J32.1 R90.1 U9.29
Z_PROBE: D11.2 R82.2 U9.11
~{RESET}: C99.1 EXP2.8 J8.6 R33.1 SW1.2 U9.25
Net-(C21-Pad2): C21.2 U1.6
Net-(C22-Pad2): C22.2 U2.6
Net-(C23-Pad2): C23.2 U3.6
Net-(C24-Pad2): C24.2 U4.6
Net-(C25-Pad2): C25.2 U5.6
Net-(C26-Pad1): C26.1 U1.4
Net-(C26-Pad2): C26.2 U1.5
Net-(C27-Pad1): C27.1 U2.4
Net-(C27-Pad2): C27.2 U2.5
Net-(C28-Pad1): C28.1 U3.4
Net-(C28-Pad2): C28.2 U3.5
Net-(C29-Pad1): C29.1 U4.4
Net-(C29-Pad2): C29.2 U4.5
Net-(C30-Pad1): C30.1 U5.4
Net-(C30-Pad2): C30.2 U5.5
Net-(C36-Pad2): C36.2 U1.8
Net-(C37-Pad2): C37.2 U2.8
Net-(C38-Pad2): C38.2 U3.8
Net-(C39-Pad2): C39.2 U4.8
Net-(C40-Pad2): C40.2 U5.8
Net-(C41-Pad2): C41.2 R6.1 U1.23
Net-(C42-Pad2): C42.2 R7.1 U2.23
Net-(C43-Pad2): C43.2 R8.1 U3.23
Net-(C44-Pad2): C44.2 R9.1 U4.23
Net-(C45-Pad2): C45.2 R10.1 U5.23
Net-(C46-Pad2): C46.2 R11.1 U1.27
Net-(C47-Pad2): C47.2 R12.1 U2.27
Net-(C48-Pad2): C48.2 R13.1 U3.27
Net-(C49-Pad2): C49.2 R14.1 U4.27
Net-(C50-Pad2): C50.2 R15.1 U5.27
Net-(C76-Pad1): C76.1 C80.1 J10.2 Q3.9 RV2.1 U6.45
Net-(C76-Pad2): C76.2 U6.43
Net-(C77-Pad1): C77.1 C81.1 J10.1 Q4.9 RV2.2 U6.1
Net-(C77-Pad2): C77.2 U6.3
Net-(C78-Pad1): C78.1 C95.1 J10.4 Q6.9 RV1.2 U6.37
Net-(C79-Pad1): C79.1 C96.1 J10.3 Q7.9 RV1.1 U6.40
Net-(C82-Pad1): C82.1 R29.1 U6.30
Net-(C83-Pad1): C83.1 R29.2 U6.6
Net-(C84-Pad2): C84.2 U6.34
Net-(C88-Pad1): C88.1 U6.31
Net-(C88-Pad2): C88.2 U6.32
Net-(C95-Pad2): C95.2 U6.35
Net-(C96-Pad2): C96.2 U6.42
Net-(C100-Pad1): C100.1 U9.71
Net-(C101-Pad1): C101.1 U9.106
Net-(C104-Pad1): C104.1 U9.23 Y1.1
Net-(C105-Pad1): C105.1 U9.24 Y1.3
Net-(C111-Pad1): C111.1 C115.1 J11.2 Q9.9 RV4.1 U10.45
Net-(C111-Pad2): C111.2 U10.43
Net-(C112-Pad1): C112.1 C116.1 J11.1 Q10.9 RV4.2 U10.1
Net-(C112-Pad2): C112.2 U10.3
Net-(C113-Pad1): C113.1 C135.1 J11.4 Q11.9 RV3.2 U10.37
Net-(C114-Pad1): C114.1 C136.1 J11.3 Q12.9 RV3.1 U10.40
Net-(C119-Pad1): C119.1 R56.1 U10.30
Net-(C120-Pad1): C120.1 R56.2 U10.6
Net-(C122-Pad2): C122.2 U10.34
Net-(C124-Pad1): C124.1 U10.31
Net-(C124-Pad2): C124.2 U10.32
Net-(C132-Pad1): C132.1 D20.2 PS3.3
Net-(C135-Pad2): C135.2 U10.35
Net-(C136-Pad2): C136.2 U10.42
Net-(C139-Pad1): C139.1 U11.4
Net-(C166-Pad2): C166.2 J12.2 L1.2
Net-(C168-Pad1): C168.1 U16.6
Net-(D1-Pad1): D1.1 F4.2 Q1.3
Net-(D1-Pad2): D1.2 Q1.1 R18.1
Net-(D2-Pad2): D2.2 R16.1
Net-(D3-Pad2): D3.2 Q2.1 R21.1
Net-(D4-Pad2): D4.2 R20.1
Net-(D5-Pad2): D5.2 R25.1
Net-(D6-Pad2): D6.2 R28.1
Net-(D7-Pad2): D7.2 R55.1
Net-(D8-Pad2): D8.2 R60.1
Net-(D9-Pad2): D9.2 R68.1
Net-(D10-Pad2): D10.2 J17.A4 J17.A9 J17.B4 J17.B9 U14.5
Net-(D11-Pad1): D11.1 J21.3
Net-(D12-Pad1): D12.1 J22.3
Net-(D13-Pad1): D13.1 J23.3
Net-(D14-Pad1): D14.1 J24.3
Net-(D15-Pad1): D15.1 J25.3
Net-(D16-Pad1): D16.1 J22.2 Q13.3
Net-(D16-Pad2): D16.2 R83.1
Net-(D17-Pad1): D17.1 J23.2 Q14.3
Net-(D17-Pad2): D17.2 R84.1
Net-(D18-Pad1): D18.1 J24.2 Q15.3
Net-(D18-Pad2): D18.2 R85.1
Net-(D19-Pad1): D19.1 J25.2 Q16.3
Net-(D19-Pad2): D19.2 R86.1
Net-(D23-Pad2): D23.2 L1.1 U16.8
Net-(D24-Pad2): D24.2 R109.1
Net-(F1-Pad1): F1.1 J7.3 R25.2
Net-(F2-Pad1): F2.1 J7.5 R28.2
Net-(F5-Pad1): F5.1 J34.1 J34.2
Net-(F6-Pad1): F6.1 J34.5 J34.6
Net-(F7-Pad1): F7.1 J34.29 J34.30
Net-(FB2-Pad1): FB2.1 J17.S1
Net-(J1-Pad1): J1.1 Q1.2
Net-(J7-Pad1): J7.1 Q2.2
Net-(J13-Pad2): J13.2 J22.1 R83.2
Net-(J14-Pad2): J14.2 J23.1 R84.2
Net-(J15-Pad2): J15.2 J24.1 R85.2
Net-(J16-Pad2): J16.2 J25.1 R86.2
Net-(J17-PadA5): J17.A5 R110.1
Net-(J17-PadA6): J17.A6 J17.B6 U14.6
Net-(J17-PadA7): J17.A7 J17.B7 U14.4
Net-(J17-PadB5): J17.B5 R111.1
Net-(J20-Pad2): J20.2 J21.1
Net-(J28-Pad3): J28.3 U15.4
Net-(JP1-Pad1): JP1.1 R105.1
Net-(PS1-Pad12): PS1.12 R61.1 R63.2
Net-(Q3-Pad1): Q3.1 R22.2
Net-(Q3-Pad5): Q3.5 Q4.5 R30.2 R31.1
Net-(Q3-Pad8): Q3.8 R26.2
Net-(Q4-Pad1): Q4.1 R23.2
Net-(Q4-Pad8): Q4.8 R27.2
Net-(Q5-Pad1): Q5.1 R38.2 U7.5
Net-(Q6-Pad1): Q6.1 R35.2
Net-(Q6-Pad5): Q6.5 Q7.5 R42.2 R45.1
Net-(Q6-Pad8): Q6.8 R40.2
Net-(Q7-Pad1): Q7.1 R36.2
Net-(Q7-Pad8): Q7.8 R41.2
Net-(Q8-Pad1): Q8.1 R49.2 U8.5
Net-(Q9-Pad1): Q9.1 R50.2
Net-(Q9-Pad8): Q9.8 R53.2
Net-(Q10-Pad1): Q10.1 R51.2
Net-(Q10-Pad5): Q9.5 Q10.5 R57.2 R58.1
Net-(Q10-Pad8): Q10.8 R54.2
Net-(Q11-Pad1): Q11.1 R65.2
Net-(Q11-Pad5): Q11.5 Q12.5 R72.2 R74.1
Net-(Q11-Pad8): Q11.8 R69.2
Net-(Q12-Pad1): Q12.1 R66.2
Net-(Q12-Pad8): Q12.8 R70.2
Net-(Q13-Pad1): Q13.1 R78.2 R92.1
Net-(Q14-Pad1): Q14.1 R79.2 R94.1
Net-(Q15-Pad1): Q15.1 R80.2 R96.1
Net-(Q16-Pad1): Q16.1 R81.2 R98.1
Net-(R22-Pad1): R22.1 U6.44
Net-(R23-Pad1): R23.1 U6.2
Net-(R26-Pad1): R26.1 U6.46
Net-(R27-Pad1): R27.1 U6.47
Net-(R30-Pad1): R30.1 U6.10
Net-(R32-Pad1): R32.1 U6.11
Net-(R34-Pad2): R34.2 R37.1 U7.3
Net-(R35-Pad1): R35.1 U6.36
Net-(R36-Pad1): R36.1 U6.41
Net-(R40-Pad1): R40.1 U6.38
